# Altium PCB ControlBoard.PcbDoc (part 3 of 3)
Units mm, origin at the board's own origin, x right, y up, seen from the top; angles counter-clockwise.
Board outline 70 x 83 mm, 6 copper layers (Top, GNDT, VDD, Inn, GNDB, Bot), stack 1.629 mm thick; 293 components, 226 nets, 1120 pads, 500 vias.
Unrouted connection lines stored in the file: 43.
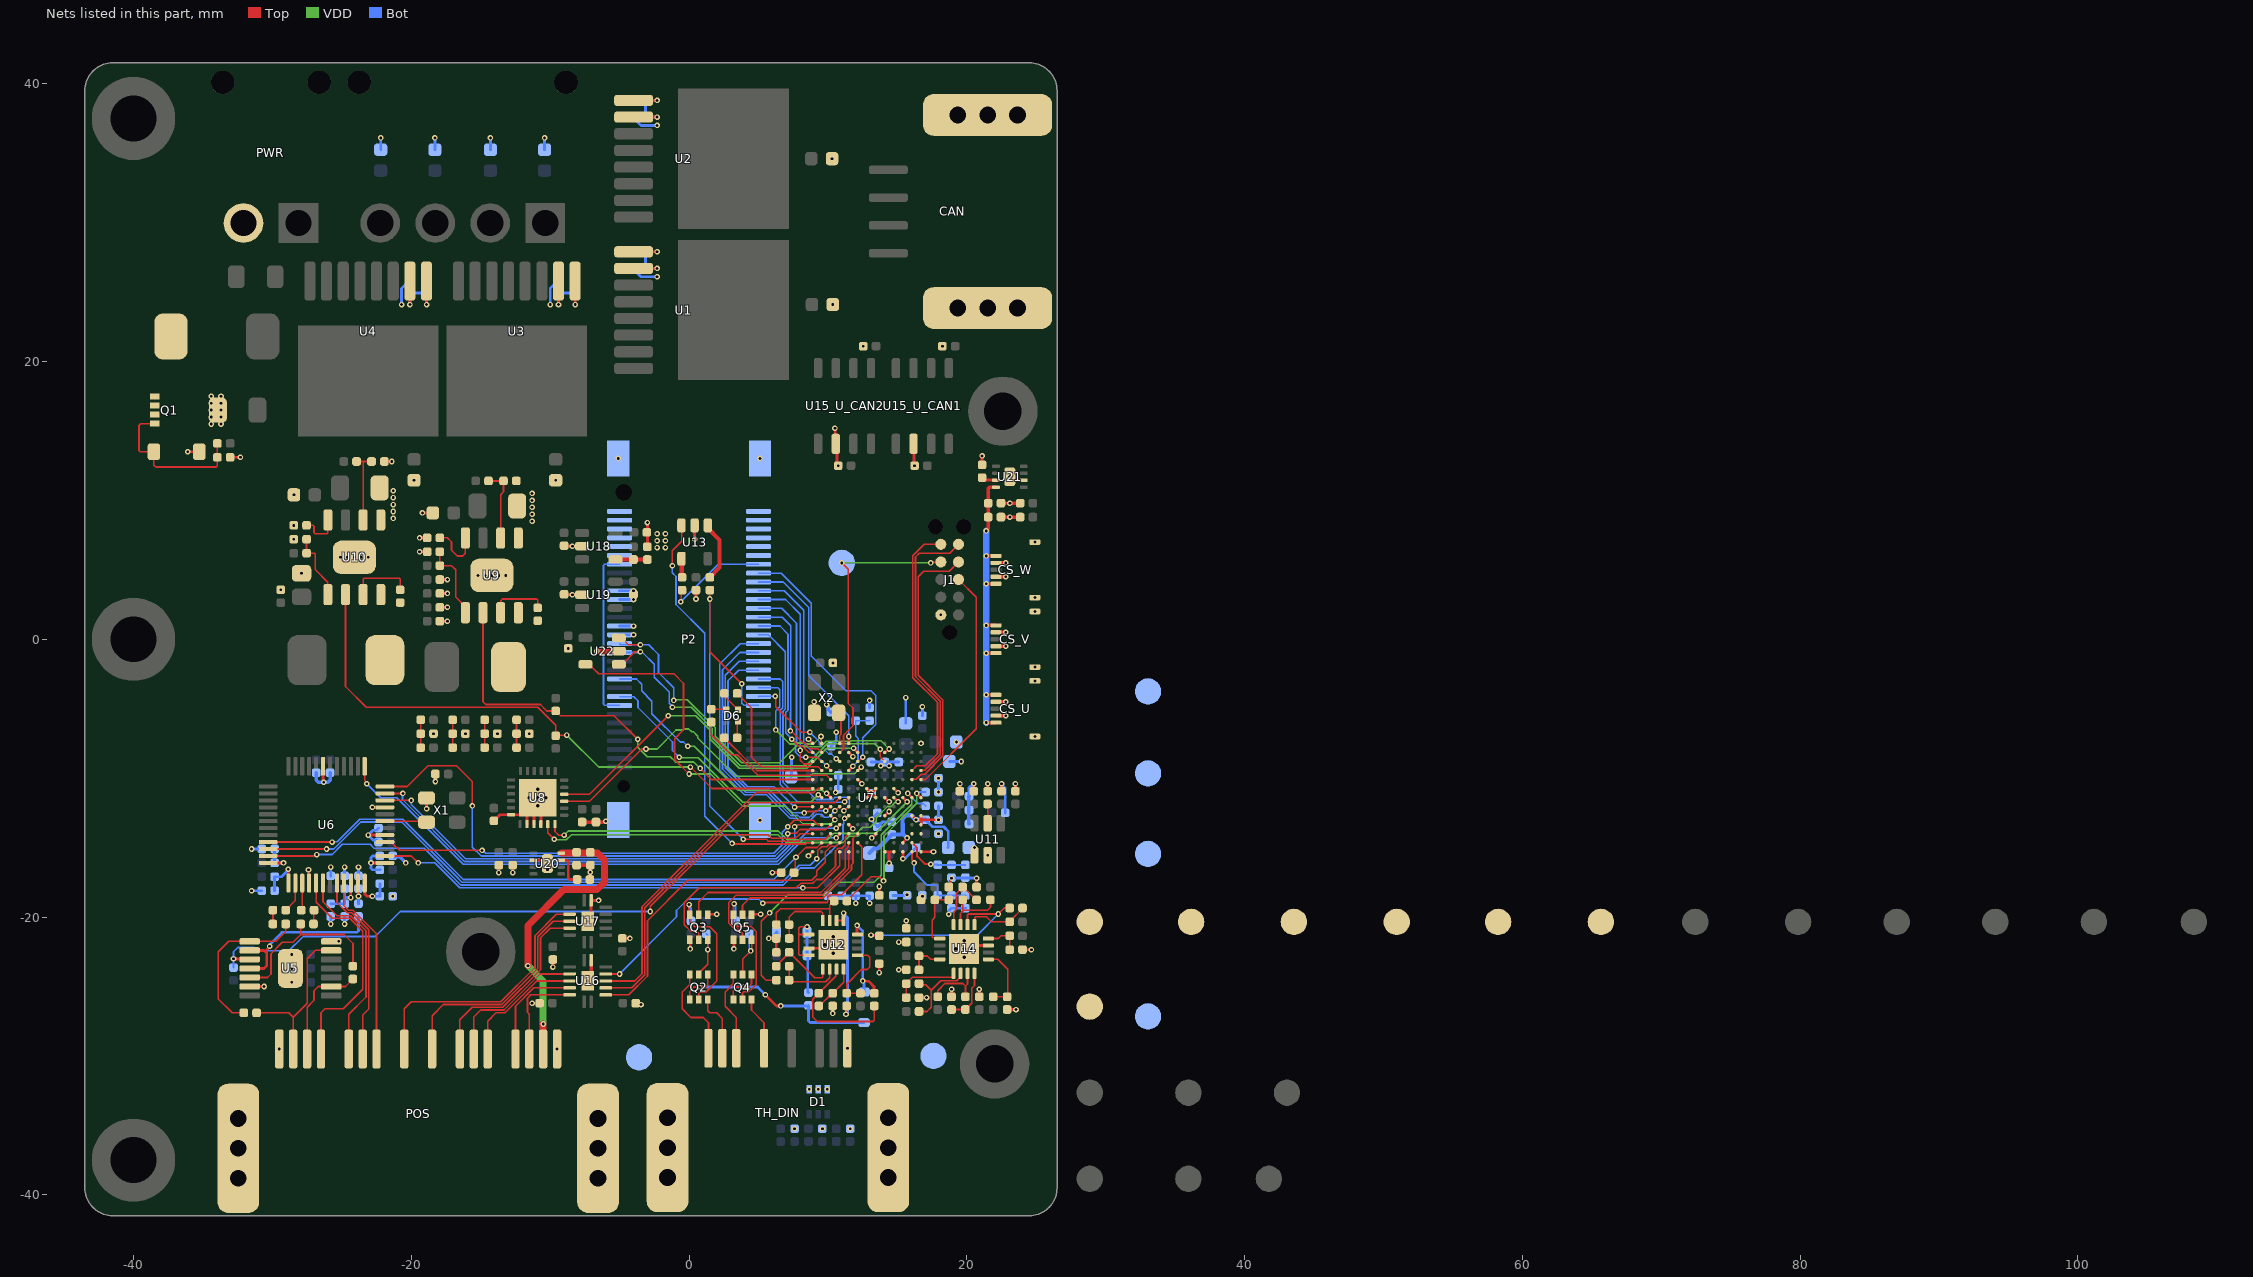
[diagram p7: the nets of this part, all layers, seen from the top]

## Via types
v1: diameter 0.4, hole 0.2, Top to Bot, tented both sides, 485 vias
v2: diameter 0.5, hole 0.25, Top to Bot, tented both sides, 15 vias

## Nets (pads, with @x,y where several pads share a name; then routed paths per layer and width w, separated by ;. In a path a pad name is that pad's centre, name@x,y a point inside that pad or via, vN(x,y) a via of type N, cw(c..) or ccw(c..) an arc to the next point about the centre after c; other vN are vias at no path point) (continued)
GND: C1.2 C2.2 C3.2 C4.2 C5.2 C6.2 C7.2 C8.2 C11.2 C12.2 C13.2 C14.2 C15.2 C16.2 C17.1 C18.2 C19.2 C20.2 C21.2 C22.2 C23.2 C24.2 C25.2 C26.2 C27.2 C28.2 C29.2 C30.2 C31.2 C32.2 C33.2 C34.2 C35.2 C36.2 C37.2 C38.2 C39.2 C40.2 C41.2 C42.2 C43.2 C44.2 C45.2 C46.2 C47.2 C48.2 C49.1 C50.1 C51.1 C52.2 C53.2 C55.2 C56.2 C57.2 C58.2 C59.2 C60.2 C62.2 C63.2 C64.2 C65.2 C66.2 C67.2 C68.2 C69.2 C70.2 C71.2 C72.2 C73.2 C74.2 C75.2 C77.2 C78.2 C80_U_CAN1.2 C80_U_CAN2.2 C81_U_CAN1.1 C81_U_CAN2.1 C82.2 C83.2 C84.2 C85.2 C86.2 C87.2 C88.1 C89.2 C90.1 C91.1 C92.1 C93.1 C94.1 C95.2 C96.2 C97.2 C98.2 C99.2 C100.2 C101.1 C102.1 C103.2 C104.2 C105.1 C106.1 C107.2 CAN.M1 CAN.M2 CAN.M3 CAN.M4 CAN.M5 CAN.M6 CS_U.2 CS_U.4 CS_U.M1 CS_U.M2 CS_V.2 CS_V.4 CS_V.M1 CS_V.M2 CS_W.2 CS_W.4 CS_W.M1 CS_W.M2 D1.1 D1.2 D1.3 D2.1 D5.1 J1.10 P2.25 P2.26 P2.27 P2.28 P2.29 P2.30 P2.46 P2.47 P2.50 P2.51 P2.55 P2.56 P2.57 P2.58 P2.59 P2.60 P2.M1 P2.M2 P2.M3 P2.M4 POS.1 POS.6 POS.M1 POS.M2 POS.M3 POS.M4 POS.M5 POS.M6 Q1.5-8 Q3.1 Q3.4 Q5.1 Q5.4 R2.1 R4.1 R6.1 R8.1 R10.1 R12.1 R14.1 R21.1 R26.1 R27.1 R28.1 R29.1 R32.1 R33.1 R35.1 R37.1 R39.1 R41.1 R44.1 R46.1 R47.1 R49.1 R51.1 R55.2 R67.1 R72.1 R73.1 R74.1 R79.1 R80.1 R81.1 R86.1 R87.1 R92.1 R95.1 R98.1 R101.1 R104.1 R108.1 R109.1 R111.2 R112.1 TH_DIN.8 TH_DIN.M1 TH_DIN.M2 TH_DIN.M3 TH_DIN.M4 TH_DIN.M5 TH_DIN.M6 TP23.1 TP24.1 TP25.1 TP26.1 U1.1 U2.1 U3.1 U4.1 U5.6 U5.14 U5.EP U6.5 U6.9 U6.19 U6.40 U7.A1 U7.A13 U7.E12 U7.F9 U7.G7 U7.G8 U7.H7 U7.H8 U7.J1 U7.J7 U7.K1 U7.L1 U7.N1 U7.N4 U7.N5 U7.N13 U8.6 U8.8 U8.9 U8.10 U8.EP U9.1 U9.EP U10.1 U10.EP U11.1 U11.2 U12.11 U12.EP U13.2 U14.11 U14.EP U15_U_CAN1.2 U15_U_CAN2.2 U16.7 U16.EP U17.7 U17.EP U18.2 U19.2 U20.2 U20.EP U21.2 U21.EP U22.2 X1.2 X2.2 | length 142.9
  Top w0.2: v1(-36.1,13.5) D2.1@-35.265,13.5 ; R108.1@-33.04,13.1 v1(-32.3,13.1) ; U5.6@-31.638,-25 v1(-30.6,-25) ; v1(-27.4,-16.6) -27.375,-16.625 -27.375,-17.525 U6.40@-27.35,-17.55 ; U6.19@-26.35,-9.15 -26.35,-10.196 -26.3,-10.246 v1(-26.3,-10.3) ; U5.14@-25.762,-21.75 v1(-25.222,-21.75) ; v1(-23.1,-14.1) U6.5@-21.9,-14.1 ; v1(-22.8,-12.1) U6.9@-21.9,-12.1 ; R44.1@-21.94,12.8 v1(-21.4,12.8) ; v1(-19.4,6.3) R41.1@-18.86,6.3 ; v1(-19.4,7.3) R39.1@-18.86,7.3 ; v1(-19.2,9.1) C53.2@-18.45,9.1 ; v1(-18.9,-12.2) X1.2@-18.9,-11.425 ; v1(-18.9,24.1) U4.1@-18.9,25.79 ; v1(-18.26,-10.24) C11.2@-18.26,-9.7 ; C55.2@-17.94,1.3 v1(-17.4,1.3) ; C58.2@-17.94,2.3 v1(-17.4,2.3) ; C57.2@-17.94,3.3 v1(-17.4,3.3) ; C56.2@-17.94,4.3 v1(-17.4,4.3) ; C51.1@-14.05,-13.073 -13.611,-12.634 U8.6@-12.813,-12.634 U8.EP@-11.65,-12.634 ; v1(-13.7,-16.8) C100.2@-13.7,-16.26 ; v1(-12.7,-16.8) C101.1@-12.7,-16.26 ; U8.8@-11.666,-13.313 -11.666,-12.65 U8.EP@-11.65,-12.634 ; v1(-11.3,-26.2) C90.1@-10.76,-26.2 ; U20.2@-11.2,-15.9 -10.45,-15.9 U20.EP@-10.2,-16.15 ; U8.9@-11.166,-13.313 U8.EP@-11.166,-12.266 ; U8.10@-10.666,-13.313 -10.666,-12.234 v2(-10.9,-12) U8.EP@-11.166,-12.266 ; v1(-9.8,-23.6) C88.1@-9.8,-23.06 ; C93.1@-9,3.24 -8.98,3.22 -8.42,3.22 v1(-8.4,3.2) U19.2@-7.7,3.2 ; C91.1@-9,6.74 -8.98,6.72 -8.42,6.72 v1(-8.4,6.7) U18.2@-7.7,6.7 ; v1(-8.2,24.1) U3.1@-8.2,25.79 ; v1(-7.3,-20.3) -7.05,-20.05 U17.7@-7.05,-18.8 v1(-6.51,-18.8) ; C87.2@-4.8,-21.54 v1(-4.26,-21.54) ; C89.2@-4,-26.3 v1(-3.46,-26.3) ; U1.1@-3.99,27.9 v1(-2.3,27.9) ; U2.1@-3.99,38.8 v1(-2.3,38.8) ; R111.2@-3,6.66 v1(-3,8.4) ; Q3.1@0.044,-21.642 0.084,-21.682 v1(0.084,-22.298) ; v1(0.4,7.2) U13.2@0.4,8.2 ; v1(0.5,2.9) C72.2@0.5,3.5 ; Q3.4@1.344,-19.84 1.384,-19.8 v1(2,-19.8) ; Q5.1@3.194,-21.643 3.234,-21.683 v1(3.234,-22.299) ; Q5.4@4.494,-19.841 4.534,-19.801 v1(5.15,-19.801) ; v1(5.744,-21.542) R55.2@6.284,-21.542 R49.1@6.284,-22.542 ; v1(6,-16.8) R21.1@6.64,-16.8 ; v1(8.6,-15.6) U7.A1@8.9,-15.3 ; v1(8.6,-7.2) U7.A13@8.9,-7.5 ; U12.11@8.629,-22.255 9.529,-22.255 v2(9.779,-22.005) ; v1(10.344,-26.942) R51.1@10.344,-26.402 ; v1(10.5,15.2) 10.532,15.168 10.532,14.108 U15_U_CAN2.2@10.565,14.075 10.653,13.987 10.653,12.588 v1(10.74,12.5) ; U7.E12@11.5,-8.15 v1(11.8,-8.45) ; U7.F9@12.15,-10.1 v1(12.45,-10.4) ; U7.G7@12.8,-11.4 12.8,-11.386 13.1,-11.086 v1(13.1,-11.05) ; U7.G8@12.8,-10.75 v1(13.1,-11.05) ; U7.H8@13.44,-10.76 13.15,-11.05 v1(13.1,-11.05) ; U7.H7@13.45,-11.4 v1(13.1,-11.05) ; v1(13.7,-24) C71.2@13.7,-23.36 ; C82.2@13.7,-18.44 v1(13.7,-17.8) ; U7.J1@14.1,-15.3 14.391,-15.3 ; U7.J7@14.1,-11.4 v1(14.4,-11.7) ; v1@14.391,-16.117 14.391,-15.3 ; U7.K1@14.75,-15.3 14.391,-15.3 ; v1(15.1,-23.8) R80.1@15.64,-23.8 ; v1(15.1,-21.8) R79.1@15.64,-21.8 ; v1(15.4,-15.8) U7.L1@15.4,-15.3 ; C77.2@15.64,-20.8 v1(15.64,-20.26) ; U15_U_CAN1.2@16.165,14.075 16.202,14.037 16.202,12.538 v1(16.24,12.5) ; R74.1@16.56,-25.8 v1(17.1,-25.8) ; R72.1@16.7,-18.76 16.7,-18.6 v1(16.8,-18.5) ; U7.N1@16.7,-15.3 v1(17.6,-15.3) ; U7.N4@16.7,-13.35 16.7,-13.336 16.726,-13.31 16.726,-13.077 ; U7.N5@16.7,-12.7 16.71,-12.71 16.71,-12.828 16.726,-12.844 16.726,-13.077 ; v1(17.96,-13) 16.803,-13 16.726,-13.077 ; R73.1@18.7,-17.84 18.827,-17.713 18.827,-17.327 18.9,-17.254 v1(18.9,-17.2) ; R81.1@18.9,-25.74 v1(18.9,-25.2) ; C67.2@19.5,-10.94 v1(19.5,-10.4) ; v2(20.4,-22.3) 20.65,-22.05 U14.11@21.55,-22.05 ; C66.2@20.5,-10.94 v1(20.5,-10.4) ; R67.1@20.7,-17.84 v1(20.7,-17.2) ; R86.1@20.9,-25.74 v1(20.9,-25.2) ; R112.1@21.1,12.56 v1(21.1,13.2) ; C68.2@21.5,-10.94 v1(21.5,-10.4) ; C107.2@22.46,8.8 v1(23.1,8.8) ; C106.1@22.46,9.8 v1(23.1,9.8) ; C65.2@22.5,-10.94 v1(22.5,-10.4) ; R87.1@22.9,-26.66 v1(23.54,-26.66) ; v1(23.1,11.7) 23.35,11.45 U21.2@24.1,11.45 ; C64.2@23.5,-10.94 v1(23.5,-10.4) ; R92.1@24.01,-22.35 v1(24.65,-22.35) ; U8.EP@-11.65,-12.634 -11.534,-12.634 U8.EP@-11.166,-12.266
  Top w0.25: C102.1@-8.1,-16.26 C103.2@-7.1,-16.26 -7.12,-16.28 -7.12,-17.28 R109.1@-7.14,-17.3 ; C50.1@-7.7,-13.16 C49.1@-6.7,-13.16 -6.101,-13.16 -6.041,-13.1 v1(-6,-13.1) ; v1(-7.3,-24.6) -7.05,-24.35 U16.7@-7.05,-23.1 ; v1(9,-4.5) 9,-5.275 X2.2@9.025,-5.3 ; CS_U.4@22.1,-5.5 v1(22.8,-5.5) ; CS_U.2@22.1,-4.5 v1(22.8,-4.5) ; CS_V.4@22.1,-0.5 v1(22.8,-0.5) ; CS_V.2@22.1,0.5 v1(22.8,0.5) ; CS_W.4@22.1,4.5 v1(22.8,4.5) ; CS_W.2@22.1,5.5 v1(22.8,5.5) ; v1(23.1,8.8) C104.2@23.84,8.8 ; v1(23.1,9.8) C105.1@23.84,9.8
  Top w0.4: v1@-6.635,-0.854 U22.2@-5.054,-0.853
  Bot w0.2: v1(-31.5,-18.1) R26.1@-30.76,-18.1 ; v1(-31.5,-15.1) R27.1@-30.76,-15.1 ; v1(-25.8,-20.5) C21.2@-25.8,-19.96 ; C13.2@-25.8,-17.04 v1(-25.8,-16.4) ; v1(-24.8,-20.5) C22.2@-24.8,-19.96 ; C20.2@-24.8,-17.04 v1(-24.8,-16.4) ; C23.2@-23.8,-17.04 v1(-23.8,-16.4) ; C14.2@-22.36,-14.6 -22.514,-14.446 -22.754,-14.446 v1(-23.1,-14.1) -22.754,-13.754 -22.514,-13.754 C12.2@-22.36,-13.6 ; C98.2@-22.2,35.25 v1(-22.2,36.1) ; v1(-20.7,24.1) -20.7,25.26 R14.1@-20.1,25.86 ; C96.2@-18.3,35.25 v1(-18.3,36.1) ; C7.2@-14.3,35.25 v1(-14.3,36.1) ; C3.2@-10.4,35.25 v1(-10.4,36.1) ; v1(-10,24.1) -10,25.26 R12.1@-9.4,25.86 ; P2.46@-5,0.318 v1(-4,0.318) ; P2.47@-5,0.953 v1(-4,0.953) ; P2.50@-5,2.857 v1(-4,2.857) ; P2.51@-5,3.492 v1(-4,3.492) ; R8.1@-4.06,26.7 -3.46,26.1 v1(-2.3,26.1) ; R10.1@-4.06,37.6 -3.46,37 v1(-2.3,37) ; C47.2@7.35,-9.9 7.375,-9.875 7.375,-8.525 v1(7.4,-8.5) ; C83.2@10,-18.46 C85.2@11,-18.46 C84.2@12,-18.46 ; C33.2@10.24,-7.7 10.24,-7.67 10.6,-7.31 v1(10.6,-6.7) ; C40.2@10.74,-10.8 C34.2@10.74,-9.8 ; v1(12,-19) C84.2@12,-18.46 ; v1(13,-19) C86.2@13,-18.46 C84.2@12,-18.46 ; R35.1@13,-4.94 v1(13,-4.4) ; C42.2@13.1,-8.84 C32.2@14.1,-8.84 C32.2@14.12,-8.84 ; C39.2@13.56,-12.5 13.56,-12.521 13.136,-12.945 v1(13.136,-12.966) 13.175,-13.005 13.175,-13.085 13.56,-13.47 C30.2@13.56,-13.5 13.59,-13.5 13.95,-13.14 C45.2@14.6,-13.14 ; v1(14.4,-9.1) 14.38,-9.1 C32.2@14.12,-8.84 ; C78.2@14.7,-18.44 15.66,-18.44 v1(15.7,-18.4) ; C41.2@15.1,-8.84 C32.2@14.12,-8.84 ; v1(15.4,-15.8) 15.438,-15.762 15.598,-15.762 C27.2@16.36,-15 ; C38.2@15.6,-6.05 v1(15.6,-4.2) ; C36.2@16.8,-5.5 v1(16.8,-4.86) ; v1(17.96,-13) C69.2@17.96,-12 ; v1(17.96,-11) v1(17.96,-10) ; v1(18.7,-19.8) 18.738,-19.762 18.738,-19.522 R33.1@18.9,-19.36 C25.2@19.9,-19.36 ; C28.2@18.75,-8.8 v1(19.6,-8.8) ; R32.1@18.9,-17.16 18.92,-17.18 20.68,-17.18 v1(20.7,-17.2) ; v1(22.5,-10.4) 22.5,-10.454 22.76,-10.714 C8.2@22.76,-12.5
  Bot w0.25: C15.2@-26.85,-9.61 -26.85,-10.154 -26.704,-10.3 v1(-26.3,-10.3) v1(-26.3,-10.3) -25.996,-10.298 -25.85,-10.152 C16.2@-25.85,-9.61 ; R29.1@-21.34,-15.6 -21.28,-15.66 -20.84,-15.66 v1(-20.4,-16.1) ; v1(5.744,-21.542) 5.773,-21.513 5.969,-21.513 6.3,-21.182 D5.1@6.3,-21.1 ; v1(9.9,-4.7) 10.034,-4.834 10.034,-5.074 C29.2@10.2,-5.24 ; C2.2@20.13,-11.3 20.13,-13.27 C6.2@20.16,-13.3 ; C2.2@20.16,-11.3 20.16,-10.74 v1(20.5,-10.4)
  other v1: 7.6,-35.24 9.6,-35.24 11.6,-35.24 8.65,-32.399 9.3,-32.399 9.95,-32.399 -29.5,-29.5 -9.5,-29.5 11.4,-29.45 -28.6,-24.7 -28.6,-23.7 -28.6,-22.7 -21.34,-18.5 -7.12,-16.78 -10.2,-16.6 14.4,-16.126 21.5,-15.55 20.55,-15 17.96,-14 5.1,-13.025 10.555,-11.024 13.8,-9.1 16.7,-7.5 19.25,-7.4 24.9,-7 -18.4,-6.8 -16.1,-6.8 -13.8,-6.8 -11.5,-6.8 24.9,-3 24.9,-2 10.36,-1.7 -6.636,-0.855 -8.7,-0.66 18.13,1.76 24.9,2 24.9,3 -29.4,3.56 -15.2,4.6 -14.7,4.6 -14.2,4.6 -13.7,4.6 -13.2,4.6 -27.9,4.75 -25.1,5.9 -24.6,5.9 -24.1,5.9 -23.6,5.9 -23.1,5.9 -2.3,6.6 -1.7,6.6 24.9,7 -2.3,7.1 -1.7,7.1 -28.46,7.2 -2.3,7.6 -1.7,7.6 -28.46,8.2 -11.3,8.5 -21.3,8.7 -11.3,9 -21.3,9.2 -11.3,9.5 -21.3,9.7 -11.3,10 -21.3,10.2 -28.45,10.4 -11.3,10.5 -21.3,10.7 -19.8,11.45 -9.6,11.45 -5.1,13.025 5.1,13.025 -34.4,15.5 -33.7,15.5 -34.4,16 -33.7,16 -34.4,16.5 -33.7,16.5 -34.4,17 -33.7,17 -34.4,17.5 -33.7,17.5 12.54,21.1 18.24,21.1 10.35,24.1 10.3,34.6
  other v2: 19.8,-22.9 10.379,-22.605 19.2,-22.3 19.8,-22.3 10.379,-22.005 10.979,-22.005 19.8,-21.7 10.379,-21.405 -11.5,-11.4 -10.9,-11.4 -10.3,-11.4 -10.9,-10.8
GND_IN: D7.1 PWR.2 Q1.1 Q1.2 Q1.3
I2C_SCL: P2.44 U7.J11 U22.1 | length 27.4
  Top w0.12: U22.1@-5.054,-1.803 -4.805,-1.803 -4.567,-1.565 -4.565,-1.565 -3.9,-0.9 v1(-3.5,-0.9) ; v1(13.775,-7.915) 13.775,-8.475 U7.J11@14.1,-8.8
  VDD w0.12: v1(-1.2,-4.9) 0.153,-4.9 1.682,-6.429 1.682,-7.082 3.696,-9.096 8.392,-9.096 9.956,-7.532 11.721,-7.532 11.739,-7.514 13.374,-7.514 v1(13.775,-7.915)
  Bot w0.12: P2.44@-5,-0.953 -3.347,-0.953 -2.5,-1.8 -2.5,-2.728 -1.436,-3.791 -1.436,-4.599 -1.2,-4.835 v1(-1.2,-4.9)
I2C_SDA: P2.45 U7.J12 U22.3 | length 27.8
  Top w0.12: U22.3@-5.054,0.097 -4.854,0.097 -4.356,-0.4 v1(-3.5,-0.4) ; U7.J12@14.1,-8.15 14.125,-8.15 14.375,-7.9 v1(14.4,-7.9)
  VDD w0.12: v1(-1.1,-4.4) -1.046,-4.346 -0.123,-4.346 1.878,-6.347 1.878,-6.978 3.8,-8.9 6.511,-8.9 7.747,-7.664 8.254,-7.664 8.322,-7.732 9.478,-7.732 9.874,-7.336 11.639,-7.336 11.658,-7.318 13.818,-7.318 v1(14.4,-7.9)
  Bot w0.12: P2.45@-5,-0.318 -4.918,-0.4 v1(-3.5,-0.4) -2.9,-0.4 -2.2,-1.1 -2.2,-2.392 -1.1,-3.492 v1(-1.1,-4.4)
JTAG_TCK: J1.6 U7.M10 | length 19.7
  Top w0.12: U7.M10@16.05,-9.45 16.4,-9.1 17.018,-9.1 17.885,-8.233 17.885,-4.54 16.108,-2.763 16.108,6.008 16.94,6.84 J1.6@18.13,6.84
JTAG_TD0: J1.4 U7.M9 | length 19.9
  Top w0.12: U7.M9@16.05,-10.1 16.074,-10.076 16.355,-10.076 16.719,-9.711 16.961,-9.711 18.277,-8.395 18.277,-4.377 16.5,-2.6 16.5,4.5 16.9,4.9 18.73,4.9 J1.4@19.4,5.57
JTAG_TDI: J1.3 U7.N9 | length 16.8
  Top w0.12: U7.N9@16.7,-10.1 16.705,-10.095 17.03,-10.095 20.671,-6.454 20.671,3.029 J1.3@19.4,4.3
JTAG_TMS: J1.5 U7.N10 | length 20.3
  Top w0.12: U7.N10@16.7,-9.45 16.725,-9.425 16.97,-9.425 18.081,-8.314 18.081,-4.458 16.304,-2.681 16.304,5.926 16.577,6.2 18.76,6.2 J1.5@19.4,6.84
MCU_CLK: U7.D13 X2.3 | length 2.3
  Top w0.12: X2.3@10.775,-5.3 10.936,-5.461 10.936,-6.839 10.85,-6.925 U7.D13@10.85,-7.5
MEM_WP: U7.C5 U22.5 | length 27.4
  Top w0.12: U22.5@-7.454,-1.803 -7.269,-1.987 -7.021,-1.987 -6.97,-2.038 -6.962,-2.038 -6.508,-2.492 -1.089,-2.492 -0.4,-3.181 -0.4,-6.525 -1.036,-7.161 -1.036,-8.664 v1(0,-9.7) ; U7.C5@10.2,-12.7 v1(10.5,-13)
  VDD w0.12: v1(0,-9.7) 1.554,-9.7 3.854,-12 6.9,-12 8.2,-13.3 10.2,-13.3 v1(10.5,-13)
NetC9_1: C9.1 R16.2 | length 1
  Top w0.12: C9.1@-29.96,-20.5 R16.2@-29.96,-19.5
NetC9_2: C9.2 R15.2 U5.1 | length 11.7
  Top w0.12: R15.2@-32.06,-26.9 -32.9,-26.9 -33.9,-25.9 -33.9,-22.5 -33.15,-21.75 U5.1@-31.638,-21.75 -29.75,-21.75 -29.04,-21.04 C9.2@-29.04,-20.5
NetC10_1: C10.1 R18.2 | length 1
  Top w0.12: C10.1@-27.04,-20.5 -27.02,-20.48 -27.02,-19.52 R18.2@-27,-19.5
NetC10_2: C10.2 R19.2 U5.5 | length 12.2
  Top w0.12: U5.5@-31.638,-24.35 -30.35,-24.35 -30.1,-24.1 -30.1,-22.64 -29.28,-21.82 -28.52,-21.82 -27.96,-21.26 ; C10.2@-27.96,-20.5 -27.96,-21.26 ; R19.2@-24.2,-23.54 -24.2,-21.9 -24.84,-21.26 -27.96,-21.26
NetC20_1: C20.1 C21.1 C22.1 U6.46 | length 3.6
  Top w0.2: v1(-24.358,-18.598) -24.354,-18.594 -24.354,-17.554 U6.46@-24.35,-17.55
  Bot w0.2: C21.1@-25.8,-19.04 C22.1@-24.8,-19.04 -24.8,-18.598 ; C20.1@-24.8,-17.96 -24.8,-18.598 ; v1(-24.358,-18.598) -24.8,-18.598
NetC44_1: C44.1 C45.1 C46.1 FB1.2 U7.L2 U7.M5 | length 10.4
  Top w0.2: U7.L2@15.4,-14.65 15.4,-14.636 15.7,-14.336 v1(15.7,-14.3) ; U7.M5@16.05,-12.7 v1(16.35,-13)
  Bot w0.2: C46.1@17.04,-13 17.54,-13.5 18.342,-13.5 18.671,-13.829 18.671,-14.979 C44.1@18.65,-15
  Bot w0.3: FB1.2@13,-15.4 13.325,-15.075 13.585,-15.075 C45.1@14.6,-14.06 15.392,-14.06 15.392,-13.295 15.374,-13.277 15.374,-12.923 15.623,-12.674 15.997,-12.674 16.323,-13 v1(16.35,-13) C46.1@17.04,-13 ; 15.449,-14.049 v1(15.7,-14.3)
NetC54_1: C54.1 L1.1 U9.8
NetC54_2: C54.2 U9.7 | length 4.2
  Top w0.12: U9.7@-13.565,1.912 -13.546,1.931 -13.546,2.784 -13.43,2.9 -10.97,2.9 -10.9,2.83 C54.2@-10.9,2.26
NetC61_1: C61.1 L2.1 U10.8
NetC61_2: C61.2 U10.7 | length 4.6
  Top w0.12: U10.7@-23.465,3.212 -23.465,4.33 -23.395,4.4 -20.87,4.4 -20.8,4.33 C61.2@-20.8,3.56
NetC68_1: C68.1 U11.5 | length 1.4
  Top w0.12: U11.5@21.5,-13.25 C68.1@21.5,-11.86
NetD2_2: D2.2 Q1.4 R40.1 R108.2 | length 11.4
  Top w0.12: Q1.4@-38.47,15.525 -39.475,15.525 -39.6,15.4 -39.6,13.57 -39.53,13.5 D2.2@-38.535,13.5 -38.535,12.535 -38.4,12.4 -34.03,12.4 -33.96,12.47 R108.2@-33.96,13.1 R40.1@-33.96,14.1
NetD3_1: D3.1 D5.2 R58.2 TP11.1 U12.9 U12.12 | length 8.8
  Top w0.12: v1(8.5,-20.7) 8,-20.7 7.9,-20.8 7.9,-21.333 ; U12.12@8.629,-22.755 8.621,-22.748 7.97,-22.748 7.9,-22.677 7.9,-21.333 ; U12.9@8.629,-21.255 8.621,-21.263 7.97,-21.263 7.9,-21.333
  Bot w0.2: v1(8.5,-20.7) D5.2@8.5,-21.1 D3.1@8.5,-22.7 8.55,-22.75 8.55,-25.39 R58.2@8.6,-25.44
NetD4_1: D4.1 R54.1 U12.4 | length 7.1
  Top w0.2: v1(12.1,-20.6) 12.1,-21.226 U12.4@12.129,-21.255 ; v1(12.5,-24.6) 12.518,-24.618 12.918,-24.618 13.318,-25.018 13.318,-25.464 R54.1@13.336,-25.482
  Bot w0.2: v1(12.1,-20.6) 12.5,-21 v1(12.5,-24.6) 12.5,-24.654 12.6,-24.754 D4.1@12.6,-25.4
NetD4_2: D4.2 Q2.1 Q2.4 Q4.1 Q4.4 R58.1 | length 19.3
  Top w0.12: Q2.1@0.044,-25.942 0.044,-25.356 0.358,-25.042 v1(0.744,-25.042) 1.227,-25.042 1.344,-24.925 Q2.4@1.344,-24.14 ; Q4.1@3.194,-25.943 3.194,-25.306 3.2,-25.3 3.2,-25.243 3.401,-25.042 v1(3.944,-25.042) 4.258,-25.042 4.494,-24.806 Q4.4@4.494,-24.141
  Top w0.2: v1(5.5,-25.6) 6.3,-26.4 v1(6.6,-26.4)
  Bot w0.2: v1(0.744,-25.042) v1(3.944,-25.042) 4.942,-25.042 v1(5.5,-25.6) ; v1(6.6,-26.4) R58.1@8.61,-26.4 ; R58.1@8.6,-26.36 8.6,-27.483 8.717,-27.6 D4.2@12.6,-27.6
NetD6_2: D6.2 R105.2 | length 1.1
  Top w0.12: R105.2@1.6,-5.04 2.64,-5.04 D6.2@2.675,-5.075
NetD6_3: D6.3 R106.2 | length 1.6
  Top w0.12: R106.2@2.54,-3.9 2.731,-4.091 2.731,-4.281 D6.3@3.525,-5.075
NetD6_4: D6.4 R107.2 | length 1.2
  Top w0.12: R107.2@3.46,-7.1 3.46,-5.99 D6.4@3.525,-5.925
NetPOS_2: POS.2 U16.13 | length 6.9
  Top w0.12: POS.2@-11.5,-29.5 -11.5,-27 -11.636,-26.864 -11.636,-25.836 -11.398,-25.598 -8.602,-25.598 U16.13@-8.6,-25.6
NetPOS_3: POS.3 U16.10 | length 10.5
  Top w0.12: POS.3@-15.5,-29.5 -15.5,-27.2 -14.989,-26.689 -13.321,-26.689 -10.732,-24.1 U16.10@-8.6,-24.1
NetPOS_8: POS.8 U16.12 | length 7.5
  Top w0.12: POS.8@-12.5,-29.5 -12.5,-26.423 -11.177,-25.1 U16.12@-8.6,-25.1
NetPOS_9: POS.9 U16.11 | length 9.1
  Top w0.12: POS.9@-14.5,-29.5 -14.5,-27.5 -13.9,-26.9 -13.255,-26.9 -10.955,-24.6 U16.11@-8.6,-24.6
NetPOS_10: POS.10 U17.12 | length 14.1
  Top w0.12: POS.10@-16.5,-29.5 -16.5,-27.394 -15.598,-26.492 -13.837,-26.492 -13.402,-26.492 -10.7,-23.79 -10.7,-21.5 -10,-20.8 U17.12@-8.6,-20.8
NetPOS_11: POS.11 U17.11 | length 16.5
  Top w0.12: POS.11@-18.5,-29.5 -18.5,-27.1 -17.696,-26.296 -13.919,-26.296 -13.484,-26.296 -10.896,-23.709 -10.896,-21.419 -9.777,-20.3 U17.11@-8.6,-20.3
NetPOS_12: POS.12 U17.10 | length 19
  Top w0.12: POS.12@-20.5,-29.5 -20.5,-26.6 -20,-26.1 -13.565,-26.1 -11.092,-23.628 -11.092,-21.337 -9.555,-19.8 U17.10@-8.6,-19.8
NetQ2_2: Q2.2 Q3.6 R61.1 | length 10.4
  Top w0.12: v1(0,-19.1) 0,-19.89 Q3.6@0.044,-19.934 ; Q3.6@0.044,-19.84 Q3.6@0.044,-19.934 ; Q2.2@0.694,-25.942 0.694,-25.506 0.795,-25.405 1.198,-25.405 2,-24.603 2,-21.2 1.5,-20.7 0.4,-20.7 0.044,-20.344 Q3.6@0.044,-19.934
  Bot w0.12: v1(0,-19.1) 0,-19.176 0.144,-19.32 R61.1@0.144,-20.282
NetQ2_5: Q2.5 Q3.3 R62.1 | length 3.9
  Top w0.12: Q2.5@0.694,-24.14 0.694,-24.046 1.344,-23.396 v1(1.344,-22.342) Q3.3@1.344,-21.642
  Bot w0.12: R62.1@1.244,-21.202 1.344,-21.302 v1(1.344,-22.342)
NetQ4_2: Q4.2 Q5.6 R63.1 | length 10.2
  Top w0.12: v1(3.244,-19.042) 3.194,-19.092 Q5.6@3.194,-19.841 3.194,-20.494 3.384,-20.684 4.484,-20.684 4.836,-21.036 4.836,-24.857 4.315,-25.378 3.922,-25.378 3.844,-25.456 Q4.2@3.844,-25.943
  Bot w0.12: v1(3.244,-19.042) 3.244,-19.118 3.344,-19.217 R63.1@3.344,-20.282
NetQ4_5: Q4.5 Q5.3 R64.1 | length 4.1
  Top w0.12: Q4.5@3.844,-24.141 3.855,-24.13 3.855,-23.031 v1(4.444,-22.442) 4.444,-22.366 4.504,-22.306 4.504,-21.653 Q5.3@4.494,-21.643
  Bot w0.12: R64.1@4.344,-21.202 4.344,-22.266 4.444,-22.366 v1(4.444,-22.442)
NetR7_2: R7.2 R8.2 U1.2 | length 3.7
  Top w0.2: U1.2@-3.99,26.7 v1(-2.3,26.7)
  Bot w0.2: R7.2@-3.14,27.9 R8.2@-3.14,26.7 v1(-2.3,26.7)
NetR9_2: R9.2 R10.2 U2.2 | length 3.7
  Top w0.2: U2.2@-3.99,37.6 v1(-2.3,37.6)
  Bot w0.2: R9.2@-3.14,38.8 R10.2@-3.14,37.6 v1(-2.3,37.6)
NetR11_2: R11.2 R12.2 U3.2 | length 3.7
  Top w0.2: v1(-9.4,24.1) U3.2@-9.4,25.79
  Bot w0.2: v1(-9.4,24.1) R12.2@-9.4,24.94 R11.2@-8.2,24.94
NetR13_2: R13.2 R14.2 U4.2 | length 3.7
  Top w0.2: v1(-20.1,24.1) U4.2@-20.1,25.79
  Bot w0.2: v1(-20.1,24.1) R14.2@-20.1,24.94 R13.2@-18.9,24.94
NetR16_1: R16.1 U6.38 | length 2.2
  Top w0.12: R16.1@-29.04,-19.5 -28.35,-18.81 U6.38@-28.35,-17.55
NetR17_2: R17.2 U5.2 U5.4 | length 12
  Top w0.2: U5.4@-31.638,-23.7 -30.6,-23.7 -30.4,-23.5 -30.4,-22.6 -30.5,-22.5 ; U5.2@-31.638,-22.4 -30.6,-22.4 -30.5,-22.5 ; v1(-30.2,-22.1) -30.2,-22.154 -30.5,-22.454 -30.5,-22.5
  Bot w0.2: v1(-30.2,-22.1) -30.2,-22 -29.3,-21.1 -23.917,-21.1 -23.8,-20.983 R17.2@-23.8,-19.96
NetR18_1: R18.1 U6.39 | length 2
  Top w0.12: R18.1@-27.92,-19.5 -27.85,-19.43 U6.39@-27.85,-17.55
NetR34_1: R34.1 R35.2 U7.E10 | length 5
  Top w0.2: U7.E10@11.5,-9.45 v1(11.8,-9.15)
  Bot w0.12: v1(11.8,-9.15) 12.164,-8.786 12.164,-8.237 12.186,-8.214 12.186,-7.139 12,-6.953 R34.1@12,-5.86 R35.2@13,-5.86
NetR36_1: R36.1 R37.2 U9.2 | length 5.3
  Top w0.12: R36.1@-14.44,11.4 R37.2@-13.36,11.4 -13.36,10.62 -13.565,10.415 U9.2@-13.565,7.288
NetR38_1: R38.1 R41.2 U9.5 | length 5.6
  Top w0.12: R41.2@-17.94,6.3 R38.1@-17.94,5.3 -17.1,5.3 -16.8,5 -16.8,3.044 -16.105,2.349 U9.5@-16.105,1.912
NetR39_2: R39.2 U9.4 | length 3.9
  Top w0.12: R39.2@-17.94,7.3 -17.4,7.3 -17.1,7 -17.1,6.4 -16.7,6 -16.3,6 -16.105,6.195 U9.4@-16.105,7.288
NetR43_1: R43.1 R44.2 U10.2 | length 5.3
  Top w0.12: R43.1@-23.94,12.8 -23.4,12.8 ; U10.2@-23.465,8.588 -23.465,12.735 -23.4,12.8 ; R44.2@-22.86,12.8 -23.4,12.8
NetR45_1: R45.1 R47.2 U10.5 | length 4.9
  Top w0.12: R47.2@-27.54,7.2 R45.1@-27.54,6.2 -26.99,6.2 -26.92,6.13 -26.92,5.02 -26.005,4.105 U10.5@-26.005,3.212
NetR46_2: R46.2 U10.4 | length 3
  Top w0.12: R46.2@-27.54,8.2 -27.07,8.2 -27,8.13 -27,7.67 -26.93,7.6 -26.075,7.6 -26.005,7.67 U10.4@-26.005,8.588
NetR49_2: R49.2 R50.2 U12.13 | length 5.2
  Top w0.12: R50.2@6.284,-23.542 6.284,-23.502 7.204,-22.582 R49.2@7.204,-22.542 9.045,-24.382 9.559,-24.382 9.629,-24.312 U12.13@9.629,-23.755
NetR50_1: R50.1 R53.2 U12.14 | length 4.7
  Top w0.12: R50.1@7.204,-23.542 R53.2@7.204,-24.542 7.321,-24.659 9.841,-24.659 10.129,-24.371 U12.14@10.129,-23.755
NetR51_2: R51.2 R52.1 U12.16 | length 3.4
  Top w0.12: R52.1@9.344,-26.402 9.384,-26.402 10.304,-25.482 R51.2@10.344,-25.482 11.129,-24.697 U12.16@11.129,-23.755
NetR52_2: R52.2 R54.2 U12.15 | length 9.8
  Top w0.12: U12.15@10.629,-23.755 10.555,-23.829 10.555,-24.271 R52.2@9.344,-25.482 8.898,-25.928 8.898,-27.198 9.222,-27.522 13.265,-27.522 13.336,-27.452 R54.2@13.336,-26.402
NetR55_1: R55.1 R56.2 U12.8 | length 4.7
  Top w0.12: R55.1@7.204,-21.542 R56.2@7.204,-20.542 7.204,-19.996 7.6,-19.6 9.5,-19.6 9.629,-19.729 U12.8@9.629,-20.255
NetR56_1: R56.1 R57.2 U12.7 | length 6.1
  Top w0.12: R56.1@6.284,-20.542 6.284,-19.7 6.584,-19.4 10.129,-19.4 ; U12.7@10.129,-20.255 10.129,-19.4 ; R57.2@10.194,-18.988 10.194,-19.083 10.129,-19.148 10.129,-19.4
NetR59_2: R59.2 R60.1 U12.1 | length 5.4
  Top w0.12: R60.1@11.344,-25.482 11.344,-24.835 12.401,-23.778 12.822,-23.778 13,-23.6 13,-22.9 12.855,-22.755 U12.1@12.129,-22.755 ; R60.1@11.344,-25.482 R59.2@12.344,-25.482
NetR60_2: R60.2 U12.5 U12.6 | length 9.1
  Top w0.12: U12.6@10.629,-20.255 U12.5@11.129,-20.255
  Top w0.2: U12.5@11.129,-20.255 v1(11.129,-19.715) ; v1(11.3,-27) 11.322,-26.978 11.322,-26.424 R60.2@11.344,-26.402
  Bot w0.2: v1(11.129,-19.715) 11.129,-19.77 11.405,-20.046 11.405,-26.841 11.3,-26.946 v1(11.3,-27)
NetR65_1: R65.1 U13.1 | length 4.4
  Top w0.3: U13.1@1.35,8.2 1.35,8 2.2,7.15 2.2,5.16 R65.1@1.5,4.46